# Allegro board FH8852v310_FH8856V310_APP_BOARD_V1.brd (continued)
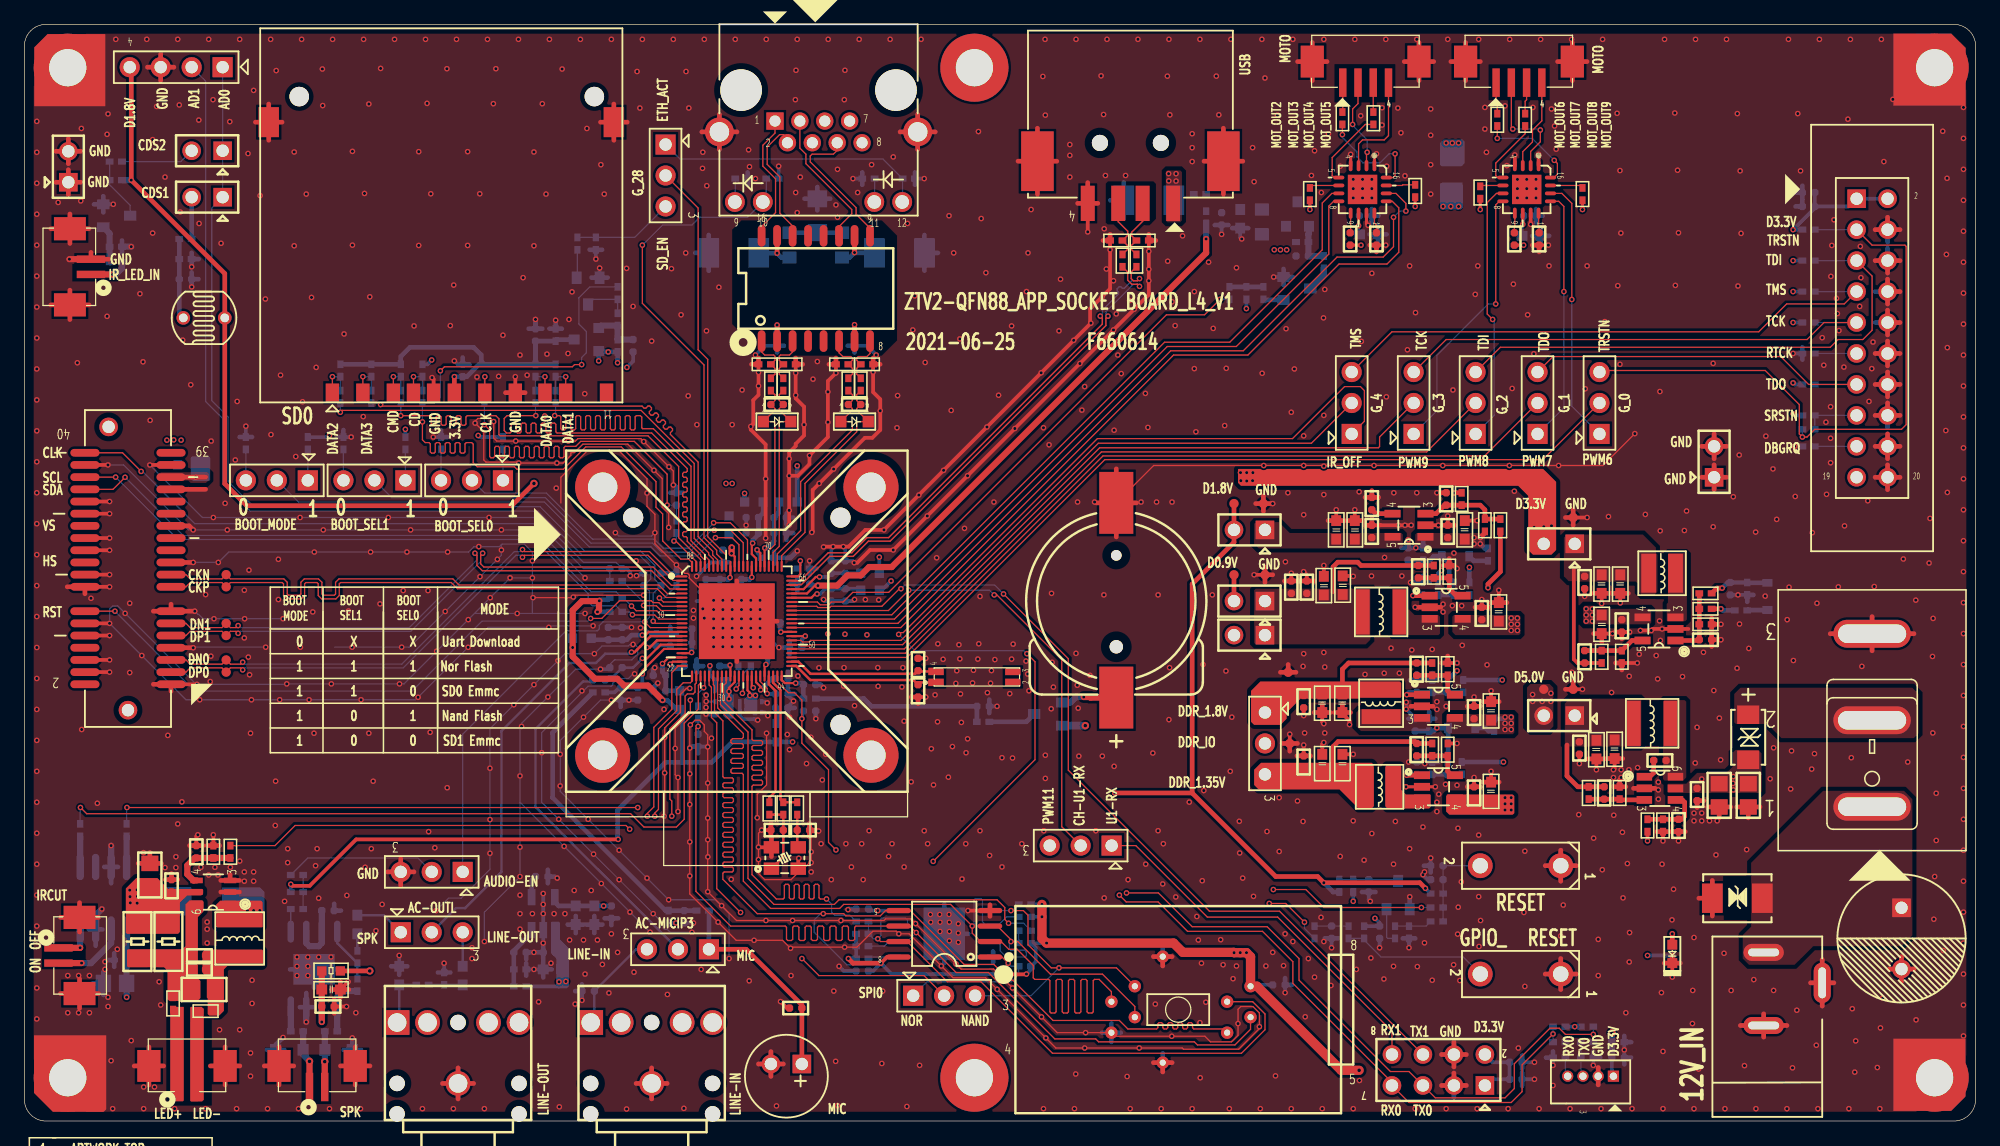
[diagram p0: board, top side]
## Routing (per net, layer and track width the routed paths; a pad name or vN(x,y) marks a point on that pad's centre or on a via; arc(x,y) is an arc through that point) (continued)
  BOTTOM w0.114: v1(88.86,66.06) 88.69,66.22 88.69,66.43 90.93,68.67 91.27,68.67 v1(91.44,68.5)
USB_PWREN: length 46.4
  TOP w0.102: v1(98.04,67.44) 96.77,66.17 93.65,66.17 70.87,43.39 67.92,43.39 67.13,42.6 66.17,42.6 65.94,42.37 65.25,42.37 65.02,42.6 U14.60
  BOTTOM w0.102: R162.1 v1(98.04,67.44)
USB_VBUS: length 48.7
  TOP w0.178: 65.05,43.94 64.82,43.94 64.18,43.3 U14.62
  TOP w0.508: 65.05,43.94 v1(65.07,43.94) 66.65,43.94 67.49,44.78 68.58,44.78 69.27,45.47 71.12,45.47 96.9,71.25 v1(96.9,72.39)
  BOTTOM w0.201: C196.2 64.94,44.07 v1(65.07,43.94)
  BOTTOM w0.508: R158.2 v1(96.9,72.39)
USBN: length 5.1
  TOP w0.114: R146.2 90.76,71.55 90.76,71.84 D13.A 90.79,72.66 90.79,72.93 91.69,73.84 J21.2
USBP: length 5
  TOP w0.114: R147.2 90.47,71.55 90.47,71.84 90.04,72.26 90.47,72.69 90.47,73.03 89.69,73.81 J21.3
VM: length 10.1
  TOP w0.254: C182.2 v1(122.94,71.88) ; R207.1 v1(127.76,74.8) ; R208.1 v1(119.38,74.8) ; U26.10 v1(109.4,73.48) ; R211.1 v1(114.05,75.06) ; R209.1 v1(105.41,74.8) ; U27.10 v1(122.86,73.59) ; C187.2 v1(109.6,71.88)
  BOTTOM w0.254: C183.2 122.94,73.66 v1(122.86,73.59) 122.81,73.53 C181.2 ; C185.2 109.4,72.84 v1(109.4,73.48) 109.4,74.22 C184.2
  vias: v1(116.33,75.06) v1(116.97,75.06) v1(117.6,75.06)
WP: length 23.4
  TOP w0.102: U9.3 79.78,16 80.9,14.88 v1(80.9,14.73) 81.46,14.73 84.13,12.05 88.4,12.05 91.05,9.4 U6.3
  BOTTOM w0.102: U10.3 79.88,14.73 80.01,14.61 80.01,13.97 80.52,13.46 82.06,13.46 82.16,13.56 82.16,13.88 82.02,14.02 80.87,14.02 80.77,14.12 80.77,14.61 v1(80.9,14.73) 81.28,14.73 81.41,14.61 R55.2 R51.2
XAIN0_SADC: length 80.2
  TOP w0.102: v1(51.56,41.02) 51.74,40.85 U14.12
  BOTTOM w0.102: v1(51.56,41.02) 51.56,43.31 C97.1 51.69,44.45 51.69,45.62 50.52,46.79 45.92,46.79 42.29,50.42 18.8,50.42 16.7,52.51 16.7,57.78 15.37,59.12 15.37,74.93 JP29.1 JP30.1 J14.1
XAIN1_SADC: length 111.7
  TOP w0.102: v1(50.88,40.97) 50.88,40.94 51.33,40.5 U14.13
  BOTTOM w0.102: JP20.1 35.94,31.75 44.42,40.23 46.99,40.23 47.14,40.39 47.14,40.67 47.45,40.97 v1(50.88,40.97) 51.26,41.35 51.26,43.48 C44.1 51.36,44.5 51.36,45.52 50.42,46.46 45.72,46.46 42.12,50.05 18.53,50.05 16.26,52.32 16.26,57.66 14.86,59.05 14.86,85.34 J14.2
N00509: length 6.6
  BOTTOM w0.381: D12.K 12.7,66.24 C149.1 R132.2 R129.1
N00760: length 3.2
  TOP w0.102: J4.9 v1(42.69,61.09)
  BOTTOM w0.102: R68.2 41.91,61.09 v1(42.69,61.09)
N00772: length 3.3
  TOP w0.102: J4.10 v1(44.39,61.09)
  BOTTOM w0.102: R69.2 43.56,61.09 v1(44.39,61.09)
N00784: length 3.1
  TOP w0.102: J4.1 v1(25.26,61.09)
  BOTTOM w0.102: v1(25.26,61.09) 25.91,61.09 R70.2
N00796: length 3.1
  TOP w0.102: J4.2 v1(27.76,61.09)
  BOTTOM w0.102: v1(27.76,61.09) 28.45,61.09 R71.2
N00808: length 2.5
  TOP w0.102: J4.7 v1(37.76,61.09)
  BOTTOM w0.102: v1(37.76,61.09) 37.72,61.05 R72.2
N00832: length 3.2
  TOP w0.102: J4.4 v1(31.91,61.09)
  BOTTOM w0.102: R77.2 32.64,61.09 v1(31.91,61.09)
N00844: length 3.1
  TOP w0.102: J4.3 v1(30.26,61.09)
  BOTTOM w0.102: R79.2 30.86,61.09 v1(30.26,61.09)
N04317: length 2.5
  BOTTOM w0.508: R144.1 U19.8
N04321: length 2.5
  BOTTOM w0.508: R145.1 U19.5
N04628: length 2.9
  BOTTOM w0.102: R127.2 D9.K 126.36,3.87 126.55,3.68
N04632: length 2.9
  BOTTOM w0.102: J12.3 127.64,3.85 D10.K R125.2
N05813: length 2.8
  BOTTOM w0.201: C146.2 RF2.2 RF1.1
N05817: length 4.6
  BOTTOM w0.201: RF1.2 C147.1 30.73,8.26 CN5.1
N06013: length 12.1
  BOTTOM w0.102: S1.2 117.99,13.46 111.25,13.46 109.86,14.86 R164.2 R165.1
N06017: length 2.8
  BOTTOM w0.102: R165.2 C161.1 R166.1
N06505: length 7.6
  BOTTOM w0.102: S2.2 C163.1 C164.1 R168.1 R172.1 R171.2
N06945: length 3.1
  BOTTOM w0.102: R170.2 R173.2 114.94,16 R171.1
N06949: length 3
  BOTTOM w0.102: R170.1 111.8,14.99 111.7,15.09 U22.2
N07170: length 4.9
  BOTTOM w0.102: R169.2 R167.2 C162.1 112.53,19.81 U22.3
N08491: length 3.7
  BOTTOM w0.508: R101.2 C99.2 R159.1 105.28,72.77 105.33,72.82 MQ3.1
N08611: length 1.7
  BOTTOM w0.381: R163.2 101.65,67.39 Q4.1
N08717: length 2.8
  BOTTOM w0.381: R162.2 R161.1 R163.1
N08811: length 3.7
  BOTTOM w0.102: R76.1 R75.2 46.65,67.44 Q1.3
N09072: length 1.7
  TOP w0.381: D3.A v1(135.13,15.37)
  BOTTOM w0.381: R1.1 v1(135.13,15.37)
N09124: length 4
  BOTTOM w0.508: C96.2 R73.1 R76.2 47.29,65.28 MQ1.1
N09603: length 1.9
  TOP w0.381: C1.1 133.6,28.57 133.28,28.25 U1.1
N09899: length 6
  TOP w0.381: C8.1 R3.2 127.38,27.43 126.49,28.32 126.49,30.86
N09903: length 4.6
  TOP w0.381: R3.1 C8.2 R5.2 130.87,26.36 U1.3
N11558: length 5.8
  TOP w0.381: R12.2 R7.2 R8.2 C20.2 137.28,39.44 U2.1
N12324: length 9.9
  TOP w0.305: R6.2 C13.1 127.36,37.59 127.05,37.9 127.05,45.34
N12328: length 5.1
  TOP w0.381: C13.2 R6.1 R9.2 131.82,39.44 U2.5
N12968: length 3.1
  BOTTOM w0.508: Q3.1 6.99,72.84 R134.1 R133.1
N13141: length 5.1
  BOTTOM w0.102: R130.2 R131.1 6.99,76.83 8.68,75.14 Q3.3
N15061: length 4.5
  TOP w0.381: C27.2 R14.1 R16.2 116.71,35.31 117.03,34.99 U4.5
N15235: length 6
  TOP w0.381: v1(113.35,34.99) U4.1
  BOTTOM w0.381: 117.98,35.18 113.54,35.18 v1(113.35,34.99)
N17654: length 4.8
  TOP w0.381: C36.2 R23.1 R26.2 116.84,43.69 117.41,43.11 U5.5
N17828: length 6
  TOP w0.381: U5.1 v1(113.86,43.11)
  BOTTOM w0.381: v1(113.86,43.11) 113.92,43.18 C41.2 R25.2 R27.2 R24.2
N17964: length 10.6
  TOP w0.381: 107.31,43.43 107.31,45.48 107.7,45.86 109.33,45.86 109.6,45.59 C36.1 R23.2
N20335: length 7.4
  TOP w0.381: U3.3 115.76,49.84 116.46,50.55 C23.2 R11.2 119.38,50.55 119.76,50.16 R10.2 R13.2
N28498: length 5.1
  TOP w0.381: R2.2 R4.2 C10.2 135.89,24.77 136.14,25.02 136.14,26.16 135.95,26.36 U1.4
N36801: length 1.8
  TOP w0.381: C24.1 110.81,49.84 U3.4
N41621: length 1.7
  BOTTOM w0.381: R18.2 120.07,32 119.81,32.26 D4.A
N41625: length 1.7
  BOTTOM w0.381: R21.2 118.85,45.97 D5.A
N052210: length 2.3
  BOTTOM w0.102: Q1.1 45.34,69.27 R78.2
N58665: length 25.7
  BOTTOM w0.381: R102.2 C113.1 R103.1 52.58,17.27 43.31,26.54 43.31,31.88 R107.1
N58697: length 17.5
  TOP w0.381: JP17.1 59.18,14.1 63.75,9.53 C108.1 J6.1
  BOTTOM w0.381: JP17.1 R102.1
N58961: length 5.2
  BOTTOM w0.381: R105.2 R106.2 C118.2 40.13,13.97 41.6,15.43 U11.3
N59213: length 8.4
  BOTTOM w0.201: CN1.1 46.74,8.39 C119.1 50.16,14.1 JP17.3
N59225: length 1.8
  BOTTOM w0.381: U11.4 41.6,19.75 C115.1
N071991: length 2.1
  BOTTOM w0.508: Q4.3 106.55,69.43 R101.1
N16425733: length 1.9
  BOTTOM w0.102: R179.2 58.29,75.46 J17.9
N16425793: length 1.9
  BOTTOM w0.102: R176.2 69.72,75.46 J17.11
N16425805: length 4.3
  BOTTOM w0.381: R95.1 C166.2 R92.1
N16425817: length 4.3
  TOP w0.102: U23.8 69.34,62.99 69.09,62.74 68.38,62.74 68.25,62.61 68.25,62.43 D24.A 68.25,61.77 68.25,61.29 R181.1
N16425841: length 4.3
  TOP w0.102: U23.6 66.8,63.05 67.11,62.74 67.77,62.74 67.89,62.61 67.89,62.43 D22.A 67.89,61.77 67.89,61.29 R178.1
N16425857: length 4.3
  TOP w0.102: U23.3 62.99,63.12 62.74,62.87 62,62.87 61.9,62.76 61.9,62.43 D21.A 61.9,61.77 61.9,61.29 R177.1
N16425869: length 4.3
  TOP w0.102: R174.1 61.54,61.29 61.54,61.77 D18.A 61.54,62.43 61.54,62.76 61.44,62.87 60.71,62.87 60.45,63.12 U23.1
N16426003: length 4.1
  TOP w0.381: U23.15 v1(61.72,71.22)
  BOTTOM w0.381: D15.K 60.24,71.22 v1(61.72,71.22) 62.08,70.87 R92.2
N16426121: length 4.2
  TOP w0.381: U23.10 v1(68.07,71.27)
  BOTTOM w0.381: R95.2 67.67,70.87 v1(68.07,71.27) 68.1,71.25 D16.K
N16457705: length 6.3
  TOP w0.178: U14.78 58.24,46.33 v1(57.99,46.58) ; v1(64.03,39.8) 64.03,39.8 U14.52 ; U14.21 53.16,37.7 v1(52.96,37.49)
  TOP w0.508: v1(57.99,46.58) 57.99,47.07 v1(58.01,47.07)
  BOTTOM w0.305: C85.2 63.75,39.52 v1(64.03,39.8)
  BOTTOM w0.381: v1(52.96,37.49) 53.34,37.11 53.88,37.11 C83.2
N16486091: length 2.5
  BOTTOM w0.102: R48.1 JP3.3
N16486095: length 2.5
  BOTTOM w0.102: R47.1 JP3.1
N16486099: length 2.5
  BOTTOM w0.102: R46.1 JP2.3
N16486103: length 2.5
  BOTTOM w0.102: R45.1 JP2.1
N16486107: length 2.5
  BOTTOM w0.102: R43.1 JP1.3
N16486111: length 2.5
  BOTTOM w0.102: R42.1 JP1.1
N16486523: length 2.3
  TOP w0.178: v1(60.08,46.88) 60.35,46.61 U14.72
  BOTTOM w0.201: R49.1 60.07,46.61 60.07,46.84 60.1,46.86 60.1,46.88 v1(60.08,46.88)
N16520538: length 3.9
  BOTTOM w0.381: R61.2 82.16,32.77 D6.3
N16520613: length 4.6
  TOP w0.508: v1(86.87,34.8) 87.38,34.8 87.42,34.75 BT1.1
  BOTTOM w0.508: D6.1 85.79,34.35 86.23,34.8 v1(86.87,34.8)
N16568818: length 1.6
  TOP w0.102: U26.9 108.75,72.94 C187.1
N16568861: length 1.7
  TOP w0.102: C186.1 110.87,73.53 110.7,73.7 U26.12
N16569733: length 2.5
  TOP w0.102: U26.6 105.61,76.78 R209.2
N16569735: length 2.4
  TOP w0.102: U26.15 112.97,76.78 113.03,76.83 R211.2
N16571206: length 1.6
  TOP w0.102: C182.1 122.17,73.41 122.21,73.45 U27.9
N16571226: length 1.6
  TOP w0.102: U27.12 124.17,73.45 124.21,73.41 C188.1
N16571270: length 1.9
  TOP w0.102: R208.2 119.45,76.78 U27.6
N16571274: length 2.7
  TOP w0.102: U27.15 127.56,76.78 R207.2
N16589672: length 2.7
  TOP w0.102: U14.26 55.79,35.65 v1(55.7,35.56)
  BOTTOM w0.102: R203.2 55.24,35.1 v1(55.7,35.56)
N16609598: length 3.7
  TOP w0.102: U14.87 55.09,45.92 53.44,47.57 53.29,47.57 v1(53.26,47.6)
  BOTTOM w0.102: R204.2 53.47,47.8 v1(53.26,47.6)
N16674187: length 2.4
  TOP w0.102: J19.1 108.11,82.83 R150.2
N16674222: length 2.4
  TOP w0.102: R151.2 110.61,82.81 J19.3
N16674257: length 2.6
  TOP w0.102: J20.1 120.68,83.6 120.78,83.5 R152.2
N16674292: length 2.6
  TOP w0.102: J20.3 123.18,83.81 123.06,83.69 R153.2
N16750026: length 5.4
  TOP w0.508: R91.1 C71.2 C72.2 v1(24.38,8.13)
  BOTTOM w0.508: U13.6 v1(24.38,8.13)
N16750096: length 4.8
  TOP w0.508: J5.1 v2(23.38,4.9)
  BOTTOM w0.508: R90.2 D7.A 22.86,5.45 23.38,4.93 v2(23.38,4.9)
N16750100: length 4.6
  TOP w0.508: J5.2 v2(24.63,4.88)
  BOTTOM w0.508: v2(24.63,4.88) 24.63,4.96 24.64,4.97 D25.K R94.2
N16750228: length 5.1
  BOTTOM w0.508: C59.2 U13.3 24.38,14.61 24.13,14.35 23.37,14.35 23.11,14.61 U13.2
N16750268: length 1.9
  BOTTOM w0.102: U13.1 R63.2
N16750308: length 2.8
  BOTTOM w0.102: R63.1 R60.1 R62.2
N16750370: length 4.5
  BOTTOM w0.201: R98.1 R93.2 25.65,14.61 U13.4
N16750378: length 1.4
  BOTTOM w0.201: R93.1 C73.2
N16750486: length 2.8
  BOTTOM w0.201: C146.1 JP23.3
N16751027: length 4.1
  BOTTOM w0.201: JP23.1 29.46,16.89 C73.1
N16751673: length 12.6
  BOTTOM w0.102: R62.1 23.24,21.59 32.26,21.59 JP20.2
N16764243: length 5.5
  TOP w0.508: R108.2 R104.1 C87.1 13.97,21.59 13.36,20.98 13.36,20.25 13.87,19.75 U16.4
N16764551:
  vias: v1(18.29,17.27) v1(18.8,17.27) v1(19.3,17.27)
N16771686: length 1.7
  BOTTOM w0.381: R44.2 141.3,41.94 D11.A
N16778150: length 4.5
  TOP w0.381: C66.2 R85.1 R88.2 116.71,28.7 117.03,28.38 U12.5
N16778213: length 5.8
  TOP w0.381: v1(113.35,28.38) U12.1
  BOTTOM w0.381: R86.2 R89.2 R87.2 C70.2 113.42,28.45 v1(113.35,28.38)
N16785770: length 3.8
  TOP w0.102: U14.7 52.4,42.6 v1(52.07,42.93)
  BOTTOM w0.102: v1(52.07,42.93) 52.45,42.93 R38.2
N16786493: length 6.1
  TOP w0.102: U14.9 52.21,41.9 51.82,42.29 50.77,42.29 v1(50.77,42.32)
  BOTTOM w0.102: R33.2 50.77,42.57 v1(50.77,42.32)
N16786550: length 5.3
  TOP w0.178: U14.20 52.83,38.05 v1(52.32,37.54)
  BOTTOM w0.381: v1(52.32,37.54) 52.32,36.83 C63.2 C47.2 R36.2
N16786676: length 4.8
  TOP w0.102: v1(60.91,35.08) 60.91,35.51 60.35,36.07 U14.39
  BOTTOM w0.305: 61.72,32.64 61.72,33.78 C45.2 C50.2 60.93,35.05 v1(60.91,35.08)
N16786698: length 2.9
  TOP w0.178: v1(60.38,35.38) 60.38,35.64 60,36.02 U14.38
  BOTTOM w0.381: C46.2 61.32,36.32 v1(60.38,35.38)
N16789313: length 2.6
  TOP w0.178: v1(63.63,45.97) 63.63,44.88 63.44,44.7 U14.66
  BOTTOM w0.201: R31.1 63.63,45.59 v1(63.63,45.97)
N16794051: length 6
  TOP w0.178: U14.61 64.54,42.95 64.82,43.23 64.97,43.23 v1(65,43.26)
  BOTTOM w0.305: R30.1 68.45,43.69 C49.1 C51.1 65.68,43.69 65.25,43.26 65,43.26 v1(65,43.26)
N16794071: length 6.2
  TOP w0.178: U14.63 63.89,43.65 64.9,44.65 v1(65.2,44.65)
  BOTTOM w0.305: R28.1 C43.1 C42.1 65.86,44.65 v1(65.2,44.65)
N16795142: length 5.1
  TOP w0.201: v1(51.05,38.86) 51.28,38.86 51.87,39.45 U14.16
  BOTTOM w0.201: C75.1 C74.1 51.31,38.99 51.18,38.86 v1(51.05,38.86)
N16795478: length 3.4
  TOP w0.178: v1(63.25,35.94) 62.36,35.94 62.1,36.2 U14.44
  BOTTOM w0.381: R37.2 C77.2 63.75,35.94 v1(63.25,35.94)
N16795922: length 6
  TOP w0.203: U7.1 62.23,21.69 C78.2 R40.2 R39.1
N16795926: length 2.7
  TOP w0.203: R41.1 C80.2 63.37,22.55 U7.3
N16800878: length 7.8
  TOP w0.178: U14.14 51.19,40.15 50.93,39.88 v1(50.67,39.88)
  BOTTOM w0.381: R32.1 46.61,39.5 C54.1 C53.1 49.4,39.5 49.78,39.88 v1(50.67,39.88)
N16800900: length 7.5
  TOP w0.178: v1(50.67,37.97) 51.05,37.97 52.18,39.1 U14.17
  BOTTOM w0.201: v1(50.67,37.97) 49.91,37.21 C55.1 48.32,36.51 47.94,36.51 C56.1
N16803827: length 3.1
  TOP w0.102: U14.34 58.6,35.74 58.37,35.51 v1(58.37,35.46)
  BOTTOM w0.102: v1(58.37,35.46) 58.37,35.81 58.55,35.99 RR3.2
N16803833: length 4
  TOP w0.102: U14.35 58.95,35.22 58.88,35.15 v1(58.88,35.1)
  BOTTOM w0.102: v1(58.88,35.1) 58.88,36.65 RR2.2
N16837752: length 5.8
  TOP w0.178: v1(59.72,47.42) 59.65,47.35 59.65,46.53 60,46.18 U14.73
  BOTTOM w0.381: R97.1 60.58,49.91 C124.1 C125.1 60.2,48.13 59.72,47.65 v1(59.72,47.42)
N16837764: length 5.9
  TOP w0.178: U14.71 60.7,46.9 60.72,46.93 v1(60.72,47.03)
  BOTTOM w0.381: R96.1 61.85,49.91 C123.1 C122.1 61.47,47.57 60.92,47.03 v1(60.72,47.03)

## Copper pours and planes (outline as drawn; the poured copper is in the pictures)
D0.9V on VCC: 61.9,44.4 63.82,42.48 97.28,42.48 98.23,43.43 99.95,43.43 100.2,43.18 100.2,39.24 99.82,38.86 92.84,38.86 91.26,40.44 63.78,40.44 63.22,39.88 63.22,39.5 62.53,38.81 62.53,38.79 60.95,37.2 55.66,37.2 54.48,38.38 54.48,38.61 54.61,38.73 56.01,38.73 56.24,38.51 60.45,38.51 60.73,38.79 60.73,42.88 60.44,43.17 57.8,43.17 57.51,43.46 57.51,44.73 57.63,44.86 59.87,44.86 60.33,44.4
D1.8V on VCC: 43.03,55.78 44.93,55.78 45.54,56.39 49.91,56.39 50.52,55.78 52.7,55.78 56.71,51.78 59.26,51.78 59.49,51.55 59.49,47.22 59.99,46.71 59.99,46.58 60.35,46.23 63.02,46.23 63.5,45.75 74.93,45.75 79.48,50.29 99.31,50.29 99.95,49.66 99.95,44.96 99.06,44.07 62.94,44.07 62.15,44.86 59.54,44.86 58.55,45.85 58.55,47.37 58.04,47.88 57.63,47.88 57.07,48.44 57.07,49.1 53.85,52.32 51.84,52.32 49.78,54.38 43.61,54.38 43.03,53.8 43.03,52.65 42.29,51.92 41.43,51.92 41.15,52.2 41.15,53.82 41.71,54.38 41.71,54.46
D3.3V on VCC (solid shape): 152.89,77.11 152.92,77.1 153.55,76.47 153.57,76.43 153.57,74.98 153.55,74.94 153.15,74.54 153.12,74.52 146.83,74.52 146.8,74.51 146.14,73.85 146.13,73.82 146.13,58.06 146.11,58.02 145.4,57.32 145.37,57.3 139.72,57.3 139.69,57.29 138.73,56.33 138.71,56.33 138.65,56.33 138.56,56.34 138.47,56.33 138.38,56.32 138.3,56.3 138.21,56.27 138.13,56.24 138.05,56.19 137.98,56.14 137.91,56.09 137.84,56.02 137.79,55.95 137.73,55.88 137.69,55.8 137.66,55.72 137.63,55.63 137.61,55.55 137.59,55.46 137.59,55.37 137.6,55.28 137.6,55.22 137.6,55.2 133.42,51.02 133.38,51 126.64,51 126.6,50.99 125.74,50.13 125.73,50.09 125.73,47.16 125.72,47.13 124.96,46.37 124.92,46.36 123.59,46.36 123.56,46.37 123.26,46.67 123.24,46.71 123.24,51.72 123.26,51.75 125.08,53.58 125.12,53.59 125.46,53.59 125.47,53.59 125.49,53.58 125.51,53.55 125.55,53.51 125.6,53.48 125.65,53.45 125.7,53.43 125.75,53.42 125.81,53.42 125.86,53.42 125.92,53.43 125.97,53.45 126.02,53.48 126.06,53.51 126.1,53.55 126.12,53.58 126.14,53.59 126.16,53.59 132.82,53.59 132.86,53.61 142.24,62.99 144.65,62.99 144.66,62.94 144.67,62.88 144.69,62.83 144.72,62.78 144.75,62.74 144.79,62.7 144.83,62.67 144.88,62.64 144.94,62.62 144.99,62.61 145.05,62.61 145.1,62.62 145.16,62.63 145.21,62.65 145.26,62.68 145.3,62.72 145.34,62.76 145.37,62.81 145.39,62.86 145.41,62.91 145.41,62.96 145.41,63.02 145.41,63.08 145.39,63.13 145.37,63.18 145.34,63.23 145.3,63.27 145.26,63.3 145.21,63.33 145.16,63.35 145.1,63.37 145.05,63.37 144.99,63.37 144.94,63.36 144.88,63.34 144.83,63.32 144.79,63.29 144.75,63.25 144.72,63.2 144.69,63.15 144.67,63.1 144.66,63.05 144.65,62.99 142.24,62.99 143.14,63.89 143.15,63.93 143.15,68.23 143.16,68.26 143.3,68.32 143.33,68.31 143.35,68.27 143.39,68.23 143.44,68.2 143.49,68.18 143.54,68.16 143.6,68.15 143.65,68.15 143.71,68.15 143.76,68.17 143.81,68.19 143.86,68.22 143.9,68.25 143.94,68.3 143.97,68.34 143.99,68.39 144.01,68.45 144.02,68.5 144.02,68.56 144.01,68.61 143.99,68.67 143.97,68.72 143.94,68.76 143.9,68.8 143.86,68.84 143.81,68.87 143.76,68.89 143.71,68.9 143.65,68.91 143.6,68.91 143.54,68.9 143.49,68.88 143.44,68.86 143.39,68.82 143.35,68.79 143.33,68.75 143.3,68.74 143.16,68.8 143.15,68.83 143.15,73.87 143.17,73.9 146.37,77.1 146.4,77.11
D3.3V on BOTTOM: 57.4,52.58 58.12,52.58 58.24,52.45 58.24,49.35 58.17,49.28 57.38,49.28 57.28,49.38 57.28,52.45
D3.3V on VCC: 55.5,56.13 77.72,56.13 79.12,54.74 97.66,54.74 99.44,56.52 99.44,66.67 99.82,67.06 100.46,67.06 100.97,66.55 100.97,51.69 100.71,51.44 78.23,51.44 72.64,45.85 69.16,45.85 68.94,46.08 64.77,46.08 63.17,47.68 63.17,51.38 62.48,52.07 57.15,52.07 53.19,56.03 51.05,56.03 50.09,57 45.39,57 44.42,56.03 24.89,56.03 24.77,56.16 24.77,57.02 25.04,57.3 41.68,57.3 41.71,57.33 41.73,57.3 43.76,57.3 45.53,59.07 46.34,59.07 46.61,59.33 46.61,62.87 47.31,63.56 48.07,63.56
D5.0V on TOP: 133.28,40.77 127.94,40.77 127.81,40.89 127.81,42.16 127.94,42.29 128.7,42.29 128.96,42.04 133.28,42.04 133.4,41.91 133.4,40.89
D5.0V on TOP: 123.49,35.86 125.07,35.86 125.37,35.56 125.37,32.38 125.02,32.03 123.57,32.03 123.22,32.38 123.22,35.59
D5.0V on TOP: 117.22,41.53 122.56,41.53 122.68,41.4 122.68,40.01 122.56,39.88 117.35,39.88 117.09,40.13 117.09,41.4
D5.0V on TOP: 116.71,33.4 122.05,33.4 122.17,33.27 122.17,31.88 122.05,31.75 116.84,31.75 116.59,32 116.59,33.27
D5.0V on TOP: 114.17,48.26 119.63,48.26 119.76,48.13 119.76,47.12 119.63,46.99 114.3,46.99 114.05,47.24 114.05,48.13
D5.0V on BOTTOM: 104.57,70.82 104.5,70.74 101.22,70.74 100.84,71.12 100.84,73.15 100.97,73.28 102.36,73.28 103,73.91 103.94,73.91 104.57,73.28
D5.0V on BOTTOM: 11.43,53.72 11.43,56.13 11.56,56.26 12.95,56.26 13.08,56.13 13.08,53.59 12.95,53.47 11.68,53.47
D5.0V on VCC: 11.3,56.44 13.13,56.44 13.23,56.34 13.23,55.35 13.03,55.14 11.33,55.14 11.25,55.22 11.25,56.39
D5.0V on VCC: 118.59,44.88 118.21,45.26 118.21,47.75 118.75,48.29 120.57,48.29 123.23,45.62 129.55,45.62 131.55,47.62 149.25,47.62 154.43,52.81 154.43,78.49 149.1,83.82 118.85,83.82 118.14,83.11 118.14,80.34 117.81,80.01 116.43,80.01 116.18,80.26 116.18,83.26 115.62,83.82 108.89,83.82 104.39,79.32 104.39,71.5 104.01,71.12 101.47,71.12 101.47,80.01 107.19,85.72 150.5,85.72 156.59,79.63 156.59,51.05 150.37,44.83 139.09,44.83 138.84,44.58 138.84,42.8 139.45,42.19 139.45,41.96 139.17,41.68 129.59,41.68 125.48,37.57 125.48,26.72 124.03,25.27 121.16,25.27 121.01,25.43 121.01,43.99 120.12,44.88
D5.0V on VCC: 43.51,11.71 44.55,11.71 44.7,11.56 44.7,9.88 44.63,9.8 43.59,9.8 43.41,9.98 43.41,11.61
D12V on BOTTOM (solid shape): 13.62,19.2 13.64,19.2 13.65,19.19 13.7,19.14 13.71,19.12 13.72,19.11 13.72,16.99 13.71,16.97 13.7,16.95 13.63,16.88 13.61,16.87 13.59,16.87 9.47,16.87 8.39,17.95 8.39,19.04 8.54,19.19 8.65,19.19 8.66,19.2 8.68,19.2
D12V on TOP: 136.27,27.69 137.16,28.57 139.57,28.57 140.08,29.08 140.08,30.23 140.31,30.45 142.16,30.45 142.44,30.18 142.44,27.05 142.32,26.92 134.81,26.92 134.75,26.98 134.75,27.63 134.8,27.69
D12V on VCC: 136.78,28.88 140.08,28.88 140.46,28.5 140.46,26.8 139.88,26.21 137.26,26.21 134.9,23.85 134.9,12.47 131.22,8.79 125.45,8.79 123.36,6.69 109.92,6.69 104.7,1.47 84.49,1.47 83.77,2.2 83.73,2.2 79.32,6.6 61.77,6.6 59.41,4.24 30.15,4.24 27.43,1.52 14.66,1.52 8,8.18 8,18.92 8.38,19.3 9.91,19.3 10.03,19.18 10.03,9.3 16.31,3.02 26.44,3.02 29.01,5.59 58.39,5.59 60.81,8 80.31,8 85.39,2.92 103.23,2.92 109.09,8.79 122.07,8.79 124.03,10.74 128.93,10.74 132.05,13.87 132.05,24.16
GND on TOP (solid shape): 6.63,83.29 0.81,83.29 0.81,88.11 1.91,89.2 6.63,89.2
GND on TOP (solid shape): 159.16,2.01 157.99,0.84 153.26,0.84 153.26,6.76 159.16,6.76
GND on TOP (solid shape): 159.18,88.06 159.18,83.34 153.26,83.34 153.26,89.24 158.01,89.24
GND on TOP (solid shape): 6.71,0.97 6.5,0.76 2.34,0.76 0.79,2.31 0.79,7.04 6.71,7.04
GND on BOTTOM (solid shape): 6.63,83.29 0.81,83.29 0.81,88.11 1.91,89.2 6.63,89.2
GND on BOTTOM (solid shape): 159.16,2.01 157.99,0.84 153.26,0.84 153.26,6.76 159.16,6.76
GND on BOTTOM (solid shape): 159.18,88.06 159.18,83.34 153.26,83.34 153.26,89.24 158.01,89.24
GND on BOTTOM (solid shape): 6.71,0.97 6.5,0.76 2.34,0.76 0.79,2.31 0.79,7.04 6.71,7.04
GND on VCC (solid shape): 6.63,83.29 0.81,83.29 0.81,88.11 1.91,89.2 6.63,89.2
GND on VCC (solid shape): 159.16,2.01 157.99,0.84 153.26,0.84 153.26,6.76 159.16,6.76
GND on VCC (solid shape): 159.18,88.06 159.18,83.34 153.26,83.34 153.26,89.24 158.01,89.24
GND on VCC (solid shape): 81.05,4.55 81.05,0.79 74.63,0.79 74.63,5.94 75.01,6.32 79.27,6.32
GND on VCC (solid shape): 6.71,0.97 6.5,0.76 2.34,0.76 0.79,2.31 0.79,7.04 6.71,7.04
GND on TOP: 2.34,0.76 0.76,2.34 0.76,88.12 1.88,89.24 158.06,89.24 159.24,88.06 159.24,2.06 157.94,0.76 22.1,0.76 19.43,0.76 19.43,0.76 ; 37 cut-outs
GND on BOTTOM: 2.34,0.76 0.76,2.34 0.76,88.12 1.88,89.24 158.06,89.24 159.24,88.06 159.24,2.06 157.94,0.76 ; 13 cut-outs
GND on GND: 2.34,0.76 0.76,2.34 0.76,88.12 1.88,89.24 158.06,89.24 159.24,88.06 159.24,2.06 157.94,0.76 ; 1 cut-out
GND on VCC: 2.34,0.76 0.76,2.34 0.76,88.12 1.88,89.24 158.06,89.24 159.24,88.06 159.24,2.06 157.94,0.76 ; 2 cut-outs
VBUS on TOP: 94.77,73.76 93.73,73.76 93.6,73.89 93.6,77.9 93.71,78.02 94.78,78.02 94.92,77.88 94.92,73.91
VBUS on BOTTOM: 96.27,77.6 96.27,74.8 95.76,74.3 93.47,74.3 93.34,74.42 93.34,77.85 93.47,77.98 95.89,77.98
DDR_D1.35V on TOP (solid shape): 110.62,29.25 110.64,29.24 110.64,29.22 110.64,25.84 110.48,25.67 110.46,25.66 110.44,25.65 109.41,25.65 109.38,25.67 107.85,27.2 107.83,27.21 107.81,27.22 101.22,27.22 100.85,27.57 100.84,27.59 100.84,27.61 100.84,28.81 100.84,28.83 100.85,28.84 101.39,29.39 101.41,29.4 101.43,29.4 110.47,29.4
DDR_IO on BOTTOM (solid shape): 57.93,36.31 57.93,35.16 58.17,34.92 58.17,33.15 58.04,33.02 57.53,33.02 57.31,33.24 57.31,33.71 57.06,33.96 57.06,36.41 57.1,36.45 57.78,36.45
DDR_IO on BOTTOM (solid shape): 60.17,35.03 60.17,34.75 60.1,34.67 60.1,33.35 60.05,33.3 59.79,33.3 59.69,33.4 59.08,33.4 59.03,33.45 59.03,34.62 59.26,34.85 59.26,35.03 59.39,35.15 60.05,35.15
DDR_IO on VCC: 58.01,35.21 58.34,34.87 59.03,34.87 59.36,35.2 59.69,35.2 59.69,35.2 59.98,35.2 60.18,35 60.18,34.38 59.97,34.17 59.97,32.21 63.14,29.03 63.8,29.03 66.97,25.87 89.97,25.87 96.1,32 102.49,32 102.87,31.62 102.87,30.48 102.11,29.72 97.66,29.72 92.2,24.26 65.15,24.26 57.38,32.02 57.38,35.39 57.48,35.49 57.9,35.49 58.01,35.38
IRLED- on TOP (solid shape): 14.71,9.19 14.71,1.74 14.58,1.62 13.67,1.62 13.65,1.62 13.63,1.63 13.6,1.68 13.6,8.19 13.6,8.19 13.6,9.3 13.64,9.36 13.65,9.37 13.67,9.37 14.53,9.37
MIPI_D5.0V on BOTTOM (solid shape): 15.24,54.43 15.24,52.64 15.11,52.51 13.84,52.51 13.64,52.72 13.64,54.42 13.78,54.56 15.1,54.56
MIPI_D5.0V on TOP: 10.97,52.72 10.97,53.02 11.2,53.25 15.01,53.25 15.16,53.1 15.16,52.64 14.88,52.36 13.64,52.36 13.44,52.57 11.13,52.57
VM on BOTTOM (solid shape): 117.94,76.85 117.95,76.83 117.96,76.81 117.96,74.96 117.79,74.79 116.17,74.79 116.08,74.88 116.08,76.9 116.14,76.97 116.16,76.98 116.18,76.99 117.79,76.99
VM on VCC: 127.76,71.5 109.6,71.5 106.83,74.27 105.45,74.27 105.17,74.55 105.17,75.2 105.41,75.44 127.64,75.44 128.14,74.93 128.14,71.88
N07819 on BOTTOM: 96.65,76.45 104.8,76.45 104.85,76.4 104.85,74.35 104.8,74.3 96.77,74.3 96.52,74.55 96.52,76.33
N08066 on TOP: 154.81,26.42 154.81,15.24 153.92,14.35 146.69,14.35 145.16,12.83 141.41,12.83 140.91,13.34 140.91,15.27 141.59,15.95 141.59,21.2 147.5,27.1 154.13,27.1
N08150 on TOP: 155.32,35.05 155.32,31.82 154.93,31.42 144.08,31.42 142.92,32.58 140.35,32.58 140.21,32.72 140.21,35.05 140.72,35.56 154.81,35.56
N09840 on TOP: 136.14,34.54 136.27,34.42 136.27,28.19 136.02,27.94 134.49,27.94 134.37,28.07 134.37,34.42 134.49,34.54
N09899 on TOP: 126.72,34.67 132.46,34.67 132.59,34.54 132.59,30.86 132.46,30.73 126.49,30.73 126.31,30.91 126.31,34.26
N12312 on TOP: 136.32,41.15 136.2,41.02 134.67,41.02 134.67,42.44 134.77,42.54 134.77,46.53 134.85,46.61 136.2,46.61 136.32,46.48
N12324 on TOP: 133.91,46.48 133.91,43.43 133.66,43.18 132.64,43.18 132.39,43.43 132.39,44.02 132.13,44.27 127.41,44.27 127.37,44.31 126.63,44.31 126.24,44.7 126.24,47.88 126.49,48.13 132.72,48.13 133.78,47.06 133.78,46.61
N15383 on TOP: 115.19,32 109.6,32 109.22,32.38 109.22,33.53 109.47,33.78 112.9,33.78 113.28,33.4 115.32,33.4 115.32,32.13
N17960 on TOP: 115.95,41.53 116.08,41.4 116.08,40.01 115.95,39.88 112.39,39.88 112.39,39.88 112.23,39.88 112.16,39.95 112.16,43.63 112.22,43.69 113.28,43.69 113.41,43.56 113.41,42.11 114,41.53
N17964 on TOP: 110.36,43.69 110.36,39.5 109.98,39.12 100.97,39.12 100.84,39.24 100.84,43.56 100.97,43.69
N20515 on TOP: 112.9,48.26 113.03,48.13 113.03,47.12 112.9,46.99 101.22,46.99 100.84,47.37 100.84,49.02 100.97,49.15 102.87,49.15 103.76,48.26
N16457705 on BOTTOM: 58.42,46.69 58.06,46.33 57.86,46.33 57.76,46.43 57.07,46.43 56.9,46.61 56.9,46.91 57.38,47.4 57.38,48.54 57.43,48.59 58.29,48.59 58.42,48.46
N16457705 on VCC: 54.24,41.95 54.24,38.01 55.31,36.94 61.18,36.94 63.68,39.45 63.68,39.98 63.83,40.13 65.15,40.13 65.43,39.85 65.43,39.12 62.46,36.14 53.95,36.14 52.7,37.39 52.7,42.27 57.28,46.84 57.28,47.24 57.4,47.37 58.17,47.37 58.29,47.24 58.29,46
N16778255 on TOP (solid shape): 112.78,29.19 112.8,29.18 112.81,29.17 112.89,29.1 112.9,29.08 112.9,29.06 112.9,27.2 112.91,27.18 112.92,27.16 113.27,26.81 113.29,26.8 113.31,26.8 115.27,26.8 115.3,26.78 115.32,26.75 115.32,25.8 115.31,25.78 115.3,25.77 115.2,25.67 115.19,25.66 115.17,25.65 111.78,25.65 111.76,25.66 111.75,25.67 111.63,25.78 111.61,25.81 111.61,25.83 111.61,29.07 111.61,29.09 111.62,29.11 111.69,29.17 111.71,29.18 111.73,29.19
D3.3V on TOP (solid shape): 101.35,53.52 101.36,53.51 101.38,53.51 101.63,53.42 101.87,53.51 101.89,53.51 101.9,53.52 104.62,53.52 104.64,53.51 104.66,53.51 104.9,53.42 105.15,53.51 105.16,53.51 105.18,53.52 106.22,53.52 106.24,53.51 106.26,53.5 106.55,53.36 106.84,53.5 106.86,53.51 106.88,53.52 110.39,53.52 110.41,53.51 110.42,53.51 110.67,53.42 110.91,53.51 110.93,53.51 110.95,53.52 116.03,53.52 116.05,53.51 116.06,53.51 116.31,53.42 116.55,53.51 116.57,53.51 116.59,53.52 121.49,53.52 121.51,53.51 121.52,53.51 121.77,53.42 122.01,53.51 122.03,53.51 122.05,53.52 124.52,53.52 124.53,53.51 124.55,53.5 125.59,52.47 125.6,52.45 125.6,52.43 125.6,46.88 125.6,46.86 125.59,46.85 125.24,46.5 125.22,46.49 125.2,46.48 123.72,46.48 123.7,46.49 123.68,46.5 123.33,46.85 123.32,46.86 123.32,46.88 123.32,51.29 123.31,51.31 123.3,51.32 122.51,52.12 122.49,52.13 122.47,52.13 99.78,52.13 99.76,52.14 99.74,52.15 99.53,52.36 99.52,52.38 99.52,52.4 99.52,53.47 99.53,53.5 99.57,53.52
D5.0V on TOP (solid shape): 122.03,26.8 122.05,26.79 122.06,26.78 122.16,26.68 122.17,26.67 122.17,26.65 122.17,25.29 122.17,25.27 122.16,25.26 122.06,25.16 122.05,25.15 122.03,25.15 116.86,25.15 116.84,25.15 116.83,25.16 116.6,25.39 116.59,25.4 116.59,25.42 116.59,26.65 116.59,26.67 116.6,26.68 116.7,26.78 116.71,26.79 116.73,26.8
D5.0V on BOTTOM (solid shape): 117.89,80.57 117.91,80.56 117.92,80.55 118.1,80.38 118.11,80.36 118.11,80.34 118.11,78.63 118.11,78.61 118.1,78.6 117.87,78.37 117.85,78.36 117.83,78.36 116.23,78.36 116.21,78.36 116.19,78.37 116.09,78.47 116.08,78.49 116.08,78.51 116.08,80.24 116.08,80.26 116.09,80.28 116.37,80.55 116.38,80.56 116.4,80.57
D5.0V on BOTTOM (solid shape): 43.82,16.36 43.84,16.35 43.86,16.34 43.9,16.3 43.91,16.28 43.92,16.26 43.92,14.93 43.92,14.91 43.93,14.89 44.64,14.19 44.65,14.17 44.65,14.15 44.65,11.07 44.65,11.05 44.64,11.03 44.52,10.91 44.5,10.9 44.48,10.9 43.79,10.9 43.77,10.9 43.75,10.91 43.63,11.03 43.62,11.05 43.61,11.07 43.61,13.31 43.61,13.33 43.6,13.35 43.19,13.75 43.18,13.77 43.18,13.79 43.18,16.29 43.18,16.31 43.19,16.32 43.22,16.34 43.23,16.35 43.25,16.36
D12V on TOP (solid shape): 10.88,19.94 10.9,19.94 10.91,19.92 11.77,19.06 11.79,19.05 11.81,19.05 14.56,19.05 14.58,19.05 14.59,19.04 14.64,18.99 14.65,18.97 14.66,18.95 14.66,18.69 14.65,18.67 14.64,18.65 14.52,18.53 14.5,18.52 14.48,18.52 13.36,18.52 13.34,18.51 13.32,18.5 12.77,17.95 12.75,17.93 12.75,17.91 12.75,15.54 12.75,15.52 12.74,15.5 12.61,15.38 12.6,15.37 12.58,15.37 8.43,15.37 8.41,15.37 8.39,15.38 8.33,15.44 8.32,15.46 8.32,15.48 8.32,19.07 8.32,19.09 8.33,19.1 9.15,19.92 9.17,19.94 9.19,19.94
DDR_D1.8V on TOP (solid shape): 112.75,36.07 112.77,36.06 112.79,36.05 112.89,35.96 112.9,35.94 112.9,35.92 112.9,34.82 112.9,34.8 112.89,34.78 112.87,34.76 112.85,34.75 112.83,34.75 109.55,34.75 109.51,34.73 109.5,34.7 109.47,34.67 104.67,34.67 104.65,34.67 104.63,34.66 103.52,33.54 103.51,33.53 103.51,33.51 103.51,33.04 103.5,33.02 103.49,33.01 103.01,32.53 103,32.52 102.98,32.51 100.86,32.51 100.84,32.52 100.82,32.53 100.6,32.75 100.59,32.77 100.58,32.79 100.58,35.28 100.59,35.3 100.6,35.32 101.33,36.05 101.35,36.06 101.37,36.07
IRLED+ on TOP (solid shape): 13.06,9.37 13.07,9.35 13.07,1.71 13.06,1.69 13.05,1.68 13,1.64 11.97,1.64 11.96,1.64 11.96,9.32 11.98,9.36 12.01,9.37
N16764537 on TOP (solid shape): 14.56,18.11 14.58,18.11 14.59,18.1 14.68,18.01 14.69,17.99 14.69,17.97 14.69,17.23 14.69,17.21 14.68,17.19 14.24,16.75 14.23,16.74 14.22,16.72 14.22,11.73 14.23,11.71 14.24,11.69 14.41,11.52 14.42,11.5 14.43,11.49 14.43,10.1 14.42,10.09 14.41,10.07 14.21,9.87 14.2,9.86 14.18,9.86 11.91,9.86 11.89,9.86 11.87,9.87 11.75,9.99 11.74,10.01 11.73,10.03 11.73,12.32 11.73,12.34 11.72,12.36 11.47,12.61 11.45,12.62 11.43,12.62 8.58,12.62 8.56,12.63 8.54,12.64 8.42,12.76 8.41,12.78 8.41,12.8 8.41,14 8.41,14.02 8.42,14.04 8.47,14.08 8.49,14.09 8.5,14.1 12.93,14.1 12.95,14.1 12.97,14.11 13.19,14.34 13.2,14.35 13.21,14.37 13.21,17.76 13.21,17.78 13.22,17.79 13.52,18.1 13.54,18.11 13.56,18.11
N16764551 on TOP (solid shape): 19.38,18.08 19.4,18.08 19.42,18.07 19.52,17.97 19.53,17.96 19.53,17.94 19.53,15.95 19.52,15.92 19.48,15.9 15.82,15.9 15.8,15.9 15.78,15.92 15.74,15.96 15.73,15.98 15.72,16 15.72,17.73 15.73,17.75 15.74,17.77 16.04,18.07 16.05,18.08 16.07,18.08
N16764551 on BOTTOM (solid shape): 19.28,19.18 19.3,19.17 19.32,19.16 19.67,18.81 19.68,18.79 19.69,18.77 19.69,17.14 19.68,17.12 19.67,17.1 19.42,16.86 19.4,16.84 19.38,16.84 16.35,16.84 16.33,16.84 16.32,16.86 16.22,16.95 16.21,16.97 16.21,16.99 16.21,19.11 16.21,19.12 16.22,19.14 16.24,19.16 16.26,19.17 16.28,19.18
N16764573 on TOP (solid shape): 19.46,14.07 19.48,14.07 19.5,14.06 19.57,13.98 19.58,13.97 19.58,13.95 19.58,12.84 19.58,12.82 19.57,12.8 19.52,12.75 19.51,12.74 19.49,12.74 16.67,12.74 16.65,12.73 16.63,12.72 16.37,12.46 16.36,12.44 16.36,12.42 16.36,9.06 16.35,9.04 16.34,9.03 15.99,8.68 15.98,8.67 15.96,8.66 15.18,8.66 15.17,8.67 15.15,8.68 15.05,8.77 15.04,8.79 15.04,8.81 15.04,10.04 15.03,10.06 15.02,10.07 14.98,10.12 14.96,10.14 14.96,10.16 14.96,11.79 14.96,11.81 14.95,11.83 14.62,12.15 14.61,12.17 14.61,12.19 14.61,13.85 14.61,13.87 14.62,13.88 14.79,14.06 14.81,14.07 14.83,14.07

## Text on the board
Ref Des/Silkscreen Top: BOOT | MODE | SEL1 | SEL0 | MOT_OUT2 | MOT_OUT3 | MOT_OUT4 | MOT_OUT5 | MOT_OUT6 | MOT_OUT7 | MOT_OUT8 | MOT_OUT9 | IRCUT | 1 | 2 | 3 | 4 | CLK | SCL | SDA | VS | HS | RST | ARTWORK TOP | PLANE GND | PLANE VCC | ARTWORK BOTTOM | GND | IR_LED_IN | CDS2 | CDS1 | LED+ | DN0 | CKN | CKP | DP0 | DN1 | DP1 | LED- | BOOT_MODE | 0 | BOOT_SEL1 | SPK | X | AC-OUTL | BOOT_SEL0 | Nor Flash | Uart Download | SD0 Emmc | Nand Flash | SD1 Emmc | AUDIO-EN | LINE-OUT | LINE-IN | AC-MICIP3 | MIC | SPI0 | NOR | NAND | DDR_1.35V | DDR_1.8V | DDR_IO | D1.8V | D0.9V | IR_OFF | RX1 | RX0 | PWM9 | TX1 | TX0 | PWM8 | D3.3V | D5.0V | PWM7 | PWM6 | SRSTN | DBGRQ | TDI | TMS | TCK | RTCK | TDO | TRSTN | OFF | ON | AD1 | AD0 | DATA2 | DATA3 | CMD | CD | 3.3V | DATA0 | DATA1 | G_28 | ETH_ACT | SD_EN | PWM11 | CH-U1-RX | U1-RX | USB | MOTO | G_4 | G_3 | G_2 | G_1 | G_0 | SD0 | ZTV2-QFN88_APP_SOCKET_BOARD_L4_V1 | 2021-06-25 | F660614 | GPIO_ | RESET | 12V_IN
DEVICE_TYPE_TOP: 1.27 | 3.81 | 45.72 | 50.5 | 55.4 | 30 | 7.4 | 4.85 | 20.32 | 16 | USR-TCP232-E
